# Altium PCB MB1166.PcbDoc (part 27 of 39)
Units mil, origin at the board's own origin, x right, y up, seen from the top; angles counter-clockwise.
Board outline 5000.99 x 2352.96 mil, 4 copper layers (TOP, L2_GND, L3_VCC, BOTTOM), stack 25.9 mil thick; 35 components, 24 nets, 166 pads, 143 vias.
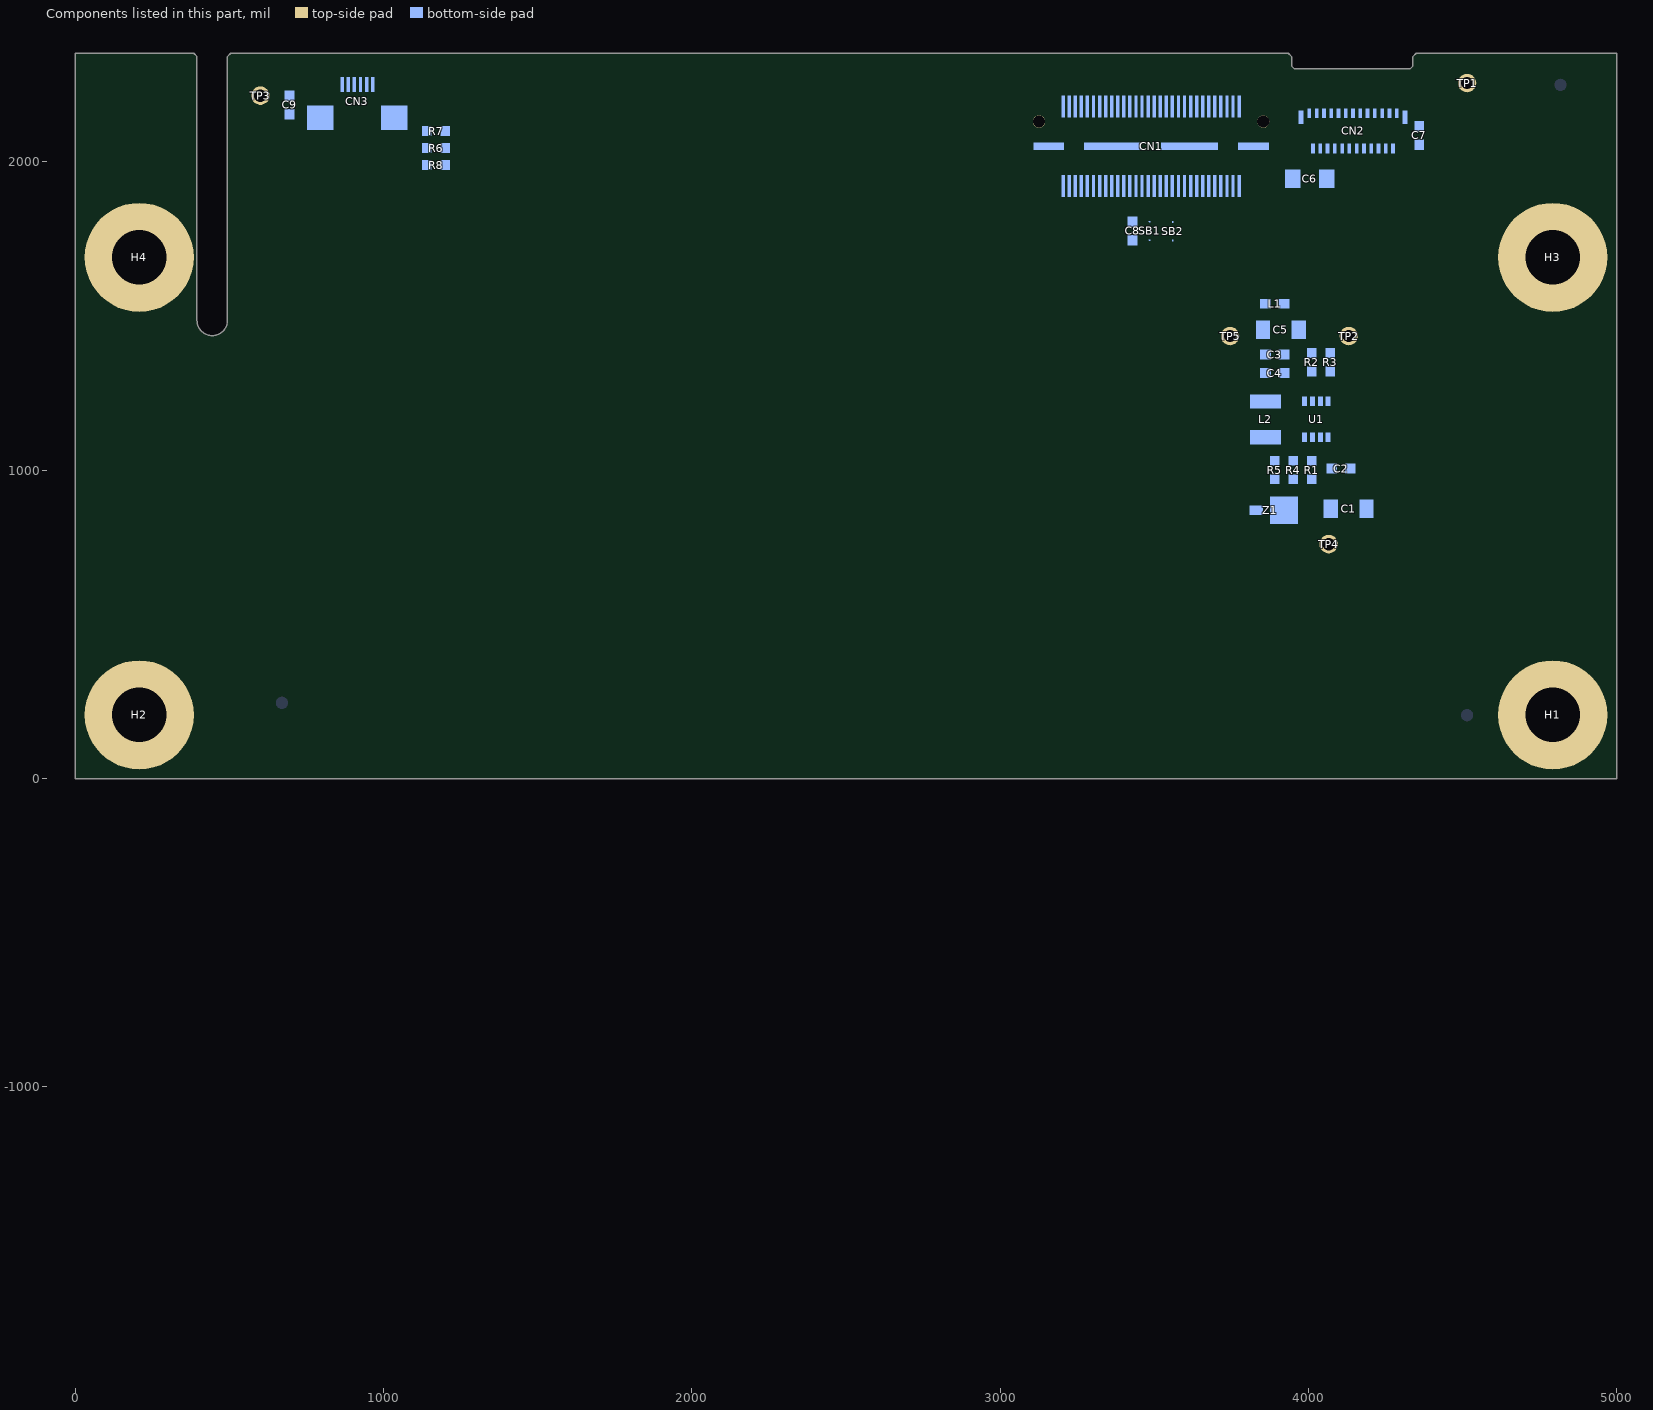
[diagram p29: the components of this part, seen from the top]

## Via types
v1: diameter 24, hole 12, TOP to BOTTOM, 143 vias

## Nets (pads, with @x,y where several pads share a name; then routed paths per layer and width w, separated by ;. In a path a pad name is that pad's centre, name@x,y a point inside that pad or via, vN(x,y) a via of type N, cw(c..) or ccw(c..) an arc to the next point about the centre after c; other vN are vias at no path point) (continued)
copper on no net: (continued)
  BOTTOM w2: 991.44,-1180.75 991.47,-1180.66 ; 991.47,-1180.66 991.51,-1180.46 ; 991.47,-1180.66 991.51,-1180.46 ; 991.51,-1180.46 991.53,-1180.37 ; 991.51,-1180.46 991.53,-1180.37 ; 991.53,-1180.37 991.56,-1180.27 ; 991.53,-1180.37 991.56,-1180.27 ; 991.56,-1180.27 991.6,-1180.07 ; 991.56,-1180.27 991.6,-1180.07 ; 991.53,-1106.82 991.62,-1106.8 ; 991.53,-1106.82 991.62,-1106.8 ; 991.6,-1180.07 991.63,-1179.98 ; 991.6,-1180.07 991.63,-1179.98 ; 991.62,-1106.8 991.82,-1106.76 ; 991.62,-1106.8 991.82,-1106.76 ; 991.63,-1179.98 991.69,-1179.68 ; 991.63,-1179.98 991.69,-1179.68 ; 991.69,-1179.68 991.72,-1179.59 ; 991.69,-1179.68 991.72,-1179.59 ; 991.72,-1179.59 991.78,-1179.29 ; 991.72,-1179.59 991.78,-1179.29 ; 991.78,-1179.29 991.81,-1179.2 ; 991.78,-1179.29 991.81,-1179.2 ; 991.81,-1179.2 991.87,-1178.9 ; 991.81,-1179.2 991.87,-1178.9 ; 991.82,-1106.76 991.9,-1106.74 ; 991.82,-1106.76 991.9,-1106.74 ; 991.87,-1178.9 991.9,-1178.81 ; 991.87,-1178.9 991.9,-1178.81 ; 991.9,-1178.81 991.96,-1178.51 ; 991.9,-1178.81 991.96,-1178.51 ; 991.9,-1106.74 1083.49,-1106.74 ; 991.9,-1106.74 1083.49,-1106.74 ; 991.96,-1178.51 991.99,-1178.42 ; 991.96,-1178.51 991.99,-1178.42 ; 991.99,-1178.42 992.05,-1178.12 ; 991.99,-1178.42 992.05,-1178.12 ; 992.05,-1178.12 992.07,-1178.03 ; 992.05,-1178.12 992.07,-1178.03 ; 992.07,-1178.03 992.1,-1177.93 ; 992.07,-1178.03 992.1,-1177.93 ; 992.1,-1177.93 992.14,-1177.73 ; 992.1,-1177.93 992.14,-1177.73 ; 992.14,-1177.73 992.16,-1177.64 ; 992.14,-1177.73 992.16,-1177.64 ; 992.16,-1177.64 992.18,-1177.54 ; 992.16,-1177.64 992.18,-1177.54 ; 992.18,-1177.54 992.21,-1177.44 ; 992.18,-1177.54 992.21,-1177.44 ; 992.21,-1177.44 992.23,-1177.34 ; 992.21,-1177.44 992.23,-1177.34 ; 992.23,-1177.34 992.25,-1177.25 ; 992.23,-1177.34 992.25,-1177.25 ; 992.25,-1177.25 992.31,-1176.95 ; 992.25,-1177.25 992.31,-1176.95 ; 992.31,-1176.95 992.34,-1176.86 ; 992.31,-1176.95 992.34,-1176.86 ; 992.34,-1176.86 992.4,-1176.56 ; 992.34,-1176.86 992.4,-1176.56 ; 992.4,-1176.56 992.42,-1176.47 ; 992.4,-1176.56 992.42,-1176.47 ; 992.42,-1176.47 992.46,-1176.27 ; 992.42,-1176.47 992.46,-1176.27 ; 992.46,-1176.27 992.49,-1176.17 ; 992.46,-1176.27 992.49,-1176.17 ; 992.49,-1176.17 992.51,-1176.07 ; 992.49,-1176.17 992.51,-1176.07 ; 992.51,-1176.07 992.53,-1175.98 ; 992.51,-1176.07 992.53,-1175.98 ; 992.53,-1175.98 992.59,-1175.68 ; 992.53,-1175.98 992.59,-1175.68 ; 992.59,-1175.68 992.61,-1175.59 ; 992.59,-1175.68 992.61,-1175.59 ; 992.61,-1175.59 992.63,-1175.49 ; 992.61,-1175.59 992.63,-1175.49 ; 992.63,-1175.49 992.66,-1175.39 ; 992.63,-1175.49 992.66,-1175.39 ; 992.66,-1175.39 992.7,-1175.19 ; 992.66,-1175.39 992.7,-1175.19 ; 992.7,-1175.19 992.72,-1175.1 ; 992.7,-1175.19 992.72,-1175.1 ; 992.72,-1175.1 992.78,-1174.8 ; 992.72,-1175.1 992.78,-1174.8 ; 992.78,-1174.8 992.8,-1174.71 ; 992.78,-1174.8 992.8,-1174.71 ; 992.8,-1174.71 992.88,-1174.31 ; 992.8,-1174.71 992.88,-1174.31 ; 992.88,-1174.31 992.9,-1174.22 ; 992.88,-1174.31 992.9,-1174.22 ; 992.9,-1174.22 992.98,-1173.82 ; 992.9,-1174.22 992.98,-1173.82 ; 992.98,-1173.82 993,-1173.73 ; 992.98,-1173.82 993,-1173.73 ; 993,-1173.73 993.08,-1173.33 ; 993,-1173.73 993.08,-1173.33 ; 993.08,-1173.33 993.1,-1173.24 ; 993.08,-1173.33 993.1,-1173.24 ; 993.1,-1173.24 993.18,-1172.84 ; 993.1,-1173.24 993.18,-1172.84 ; 993.18,-1172.84 993.2,-1172.75 ; 993.18,-1172.84 993.2,-1172.75 ; 993.2,-1172.75 993.3,-1172.25 ; 993.2,-1172.75 993.3,-1172.25 ; 993.3,-1172.25 993.32,-1172.16 ; 993.3,-1172.25 993.32,-1172.16 ; 993.32,-1172.16 949.13,-1216.34 993.32,-1172.16 ; 993.32,-1172.16 993.33,-1172.06 ; 993.32,-1172.16 993.33,-1172.06 ; 993.33,-1172.06 993.39,-1171.76 ; 993.33,-1172.06 993.39,-1171.76 ; 993.39,-1171.76 993.41,-1171.67 ; 993.39,-1171.76 993.41,-1171.67 ; 993.41,-1171.67 993.47,-1171.37 ; 993.41,-1171.67 993.47,-1171.37 ; 993.47,-1171.37 993.48,-1171.27 ; 993.47,-1171.37 993.48,-1171.27 ; 993.48,-1171.27 993.5,-1171.17 ; 993.48,-1171.27 993.5,-1171.17 ; 993.5,-1171.17 993.52,-1171.08 ; 993.5,-1171.17 993.52,-1171.08 ; 993.52,-1171.08 993.58,-1170.78 ; 993.52,-1171.08 993.58,-1170.78 ; 993.58,-1170.78 993.59,-1170.68 ; 993.58,-1170.78 993.59,-1170.68 ; 993.59,-1170.68 993.61,-1170.58 ; 993.59,-1170.68 993.61,-1170.58 ; 993.61,-1170.58 993.63,-1170.49 ; 993.61,-1170.58 993.63,-1170.49 ; 993.63,-1170.49 993.67,-1170.29 ; 993.63,-1170.49 993.67,-1170.29 ; 993.67,-1170.29 993.68,-1170.19 ; 993.67,-1170.29 993.68,-1170.19 ; 993.68,-1170.19 993.72,-1169.99 ; 993.68,-1170.19 993.72,-1169.99 ; 993.72,-1169.99 993.74,-1169.9 ; 993.72,-1169.99 993.74,-1169.9 ; 993.74,-1169.9 993.75,-1169.8 ; 993.74,-1169.9 993.75,-1169.8 ; 993.75,-1169.8 993.81,-1169.5 ; 993.75,-1169.8 993.81,-1169.5 ; 993.81,-1169.5 993.82,-1169.4 ; 993.81,-1169.5 993.82,-1169.4 ; 993.82,-1169.4 946.88,-1216.34 993.82,-1169.4 ; 993.82,-1169.4 993.84,-1169.3 ; 993.82,-1169.4 993.84,-1169.3 ; 993.84,-1169.3 993.86,-1169.21 ; 993.84,-1169.3 993.86,-1169.21 ; 993.86,-1169.21 993.88,-1169.11 ; 993.86,-1169.21 993.88,-1169.11 ; 993.88,-1169.11 993.89,-1169.01 ; 993.88,-1169.11 993.89,-1169.01 ; 993.89,-1169.01 993.95,-1168.71 ; 993.89,-1169.01 993.95,-1168.71 ; 993.95,-1168.71 993.96,-1168.62 ; 993.95,-1168.71 993.96,-1168.62 ; 993.96,-1168.62 994,-1168.42 ; 993.96,-1168.62 994,-1168.42 ; 994,-1168.42 994.01,-1168.32 ; 994,-1168.42 994.01,-1168.32 ; 994.01,-1168.32 994.07,-1168.02 ; 994.01,-1168.32 994.07,-1168.02 ; 994.07,-1168.02 994.08,-1167.93 ; 994.07,-1168.02 994.08,-1167.93 ; 994.08,-1167.93 994.14,-1167.63 ; 994.08,-1167.93 994.14,-1167.63 ; 994.14,-1167.63 994.15,-1167.53 ; 994.14,-1167.63 994.15,-1167.53 ; 994.15,-1167.53 994.17,-1167.43 ; 994.15,-1167.53 994.17,-1167.43 ; 994.17,-1167.43 994.19,-1167.34 ; 994.17,-1167.43 994.19,-1167.34 ; 994.19,-1167.34 994.2,-1167.24 ; 994.19,-1167.34 994.2,-1167.24 ; 994.2,-1167.24 994.28,-1166.84 ; 994.2,-1167.24 994.28,-1166.84 ; 994.28,-1166.84 994.29,-1166.74 ; 994.28,-1166.84 994.29,-1166.74 ; 994.29,-1166.74 994.31,-1166.65 ; 994.29,-1166.74 994.31,-1166.65 ; 994.31,-1166.65 994.35,-1166.45 ; 994.31,-1166.65 994.35,-1166.45 ; 994.35,-1166.45 994.36,-1166.35 ; 994.35,-1166.45 994.36,-1166.35 ; 994.36,-1166.35 994.4,-1166.15 ; 994.36,-1166.35 994.4,-1166.15 ; 994.4,-1166.15 994.42,-1166.06 ; 994.4,-1166.15 994.42,-1166.06 ; 994.42,-1166.06 994.44,-1165.96 ; 994.42,-1166.06 994.44,-1165.96 ; 994.44,-1165.96 994.45,-1165.86 ; 994.44,-1165.96 994.45,-1165.86 ; 994.45,-1165.86 994.51,-1165.56 ; 994.45,-1165.86 994.51,-1165.56 ; 994.51,-1165.56 994.53,-1165.47 ; 994.51,-1165.56 994.53,-1165.47 ; 994.53,-1165.47 994.57,-1165.27 ; 994.53,-1165.47 994.57,-1165.27 ; 994.57,-1165.27 994.58,-1165.17 ; 994.57,-1165.27 994.58,-1165.17 ; 994.58,-1165.17 994.62,-1164.97 ; 994.58,-1165.17 994.62,-1164.97 ; 994.62,-1164.97 994.64,-1164.88 ; 994.62,-1164.97 994.64,-1164.88 ; 994.64,-1164.88 994.72,-1164.48 ; 994.64,-1164.88 994.72,-1164.48 ; 994.72,-1164.48 994.74,-1164.39 ; 994.72,-1164.48 994.74,-1164.39 ; 994.74,-1164.39 994.82,-1163.99 ; 994.74,-1164.39 994.82,-1163.99 ; 994.82,-1163.99 994.84,-1163.9 ; 994.82,-1163.99 994.84,-1163.9 ; 994.84,-1163.9 942.39,-1216.34 994.84,-1163.9 ; 994.84,-1163.9 994.9,-1163.6 ; 994.84,-1163.9 994.9,-1163.6 ; 994.9,-1163.6 994.92,-1163.51 ; 994.9,-1163.6 994.92,-1163.51 ; 994.92,-1163.51 994.96,-1163.31 ; 994.92,-1163.51 994.96,-1163.31 ; 994.96,-1163.31 994.99,-1163.21 ; 994.96,-1163.31 994.99,-1163.21 ; 994.99,-1163.21 995.01,-1163.11 ; 994.99,-1163.21 995.01,-1163.11 ; 995.01,-1163.11 995.03,-1163.02 ; 995.01,-1163.11 995.03,-1163.02 ; 995.03,-1163.02 995.07,-1162.82 ; 995.03,-1163.02 995.07,-1162.82 ; 995.07,-1162.82 995.1,-1162.72 ; 995.07,-1162.82 995.1,-1162.72 ; 995.1,-1162.72 995.12,-1162.63 ; 995.1,-1162.72 995.12,-1162.63 ; 995.12,-1162.63 995.16,-1162.43 ; 995.12,-1162.63 995.16,-1162.43 ; 995.16,-1162.43 995.19,-1162.33 ; 995.16,-1162.43 995.19,-1162.33 ; 995.19,-1162.33 995.21,-1162.24 ; 995.19,-1162.33 995.21,-1162.24 ; 995.21,-1162.24 995.23,-1162.14 ; 995.21,-1162.24 995.23,-1162.14 ; 995.23,-1162.14 995.26,-1162.04 ; 995.23,-1162.14 995.26,-1162.04 ; 995.26,-1162.04 995.28,-1161.95 ; 995.26,-1162.04 995.28,-1161.95 ; 995.28,-1161.95 995.3,-1161.85 ; 995.28,-1161.95 995.3,-1161.85 ; 995.3,-1161.85 995.33,-1161.75 ; 995.3,-1161.85 995.33,-1161.75 ; 995.33,-1161.75 995.35,-1161.65 ; 995.33,-1161.75 995.35,-1161.65 ; 995.35,-1161.65 995.38,-1161.56 ; 995.35,-1161.65 995.38,-1161.56 ; 995.38,-1161.56 995.42,-1161.36 ; 995.38,-1161.56 995.42,-1161.36 ; 995.42,-1161.36 995.45,-1161.27 ; 995.42,-1161.36 995.45,-1161.27 ; 995.45,-1161.27 995.47,-1161.17 ; 995.45,-1161.27 995.47,-1161.17 ; 995.47,-1161.17 995.5,-1161.07 ; 995.47,-1161.17 995.5,-1161.07 ; 995.5,-1161.07 995.52,-1160.98 ; 995.5,-1161.07 995.52,-1160.98 ; 995.52,-1160.98 995.55,-1160.88 ; 995.52,-1160.98 995.55,-1160.88 ; 995.55,-1160.88 995.57,-1160.78 ; 995.55,-1160.88 995.57,-1160.78 ; 995.57,-1160.78 995.6,-1160.69 ; 995.57,-1160.78 995.6,-1160.69 ; 995.6,-1160.69 995.62,-1160.59 ; 995.6,-1160.69 995.62,-1160.59 ; 995.62,-1160.59 995.65,-1160.49 ; 995.62,-1160.59 995.65,-1160.49 ; 995.65,-1160.49 995.67,-1160.39 ; 995.65,-1160.49 995.67,-1160.39 ; 995.67,-1160.39 995.7,-1160.3 ; 995.67,-1160.39 995.7,-1160.3 ; 995.7,-1160.3 995.72,-1160.2 ; 995.7,-1160.3 995.72,-1160.2 ; 995.72,-1160.2 995.75,-1160.1 ; 995.72,-1160.2 995.75,-1160.1 ; 995.75,-1160.1 995.77,-1160.01 ; 995.75,-1160.1 995.77,-1160.01 ; 995.77,-1160.01 995.8,-1159.91 ; 995.77,-1160.01 995.8,-1159.91 ; 995.8,-1159.91 995.82,-1159.81 ; 995.8,-1159.91 995.82,-1159.81 ; 995.82,-1159.81 995.85,-1159.72 ; 995.82,-1159.81 995.85,-1159.72 ; 995.85,-1159.72 995.87,-1159.62 ; 995.85,-1159.72 995.87,-1159.62 ; 995.87,-1159.62 995.9,-1159.52 ; 995.87,-1159.62 995.9,-1159.52 ; 995.9,-1159.52 995.92,-1159.43 ; 995.9,-1159.52 995.92,-1159.43 ; 995.92,-1159.43 995.95,-1159.33 ; 995.92,-1159.43 995.95,-1159.33 ; 995.95,-1159.33 995.97,-1159.23 ; 995.95,-1159.33 995.97,-1159.23 ; 995.97,-1159.23 996,-1159.14 ; 995.97,-1159.23 996,-1159.14 ; 996,-1159.14 996.04,-1158.94 ; 996,-1159.14 996.04,-1158.94 ; 996.04,-1158.94 996.07,-1158.84 ; 996.04,-1158.94 996.07,-1158.84 ; 996.07,-1158.84 996.09,-1158.75 ; 996.07,-1158.84 996.09,-1158.75 ; 996.09,-1158.75 996.12,-1158.65 ; 996.09,-1158.75 996.12,-1158.65 ; 996.12,-1158.65 996.14,-1158.55 ; 996.12,-1158.65 996.14,-1158.55 ; 996.14,-1158.55 996.16,-1158.46 ; 996.14,-1158.55 996.16,-1158.46 ; 996.16,-1158.46 996.19,-1158.36 ; 996.16,-1158.46 996.19,-1158.36 ; 996.19,-1158.36 996.23,-1158.16 ; 996.19,-1158.36 996.23,-1158.16 ; 996.23,-1158.16 996.26,-1158.07 ; 996.23,-1158.16 996.26,-1158.07 ; 996.26,-1158.07 996.32,-1157.77 ; 996.26,-1158.07 996.32,-1157.77 ; 996.32,-1157.77 996.34,-1157.68 ; 996.32,-1157.77 996.34,-1157.68 ; 996.34,-1157.68 996.36,-1157.58 ; 996.34,-1157.68 996.36,-1157.58 ; 996.36,-1157.58 996.39,-1157.48 ; 996.36,-1157.58 996.39,-1157.48 ; 996.39,-1157.48 996.41,-1157.38 ; 996.39,-1157.48 996.41,-1157.38 ; 996.41,-1157.38 996.43,-1157.29 ; 996.41,-1157.38 996.43,-1157.29 ; 996.43,-1157.29 996.51,-1156.89 ; 996.43,-1157.29 996.51,-1156.89 ; 996.51,-1156.89 996.52,-1156.79 ; 996.51,-1156.89 996.52,-1156.79 ; 996.52,-1156.79 996.54,-1156.7 ; 996.52,-1156.79 996.54,-1156.7 ; 996.54,-1156.7 996.6,-1156.4 ; 996.54,-1156.7 996.6,-1156.4 ; 996.6,-1156.4 996.61,-1156.3 ; 996.6,-1156.4 996.61,-1156.3 ; 996.61,-1156.3 996.63,-1156.2 ; 996.61,-1156.3 996.63,-1156.2 ; 996.63,-1156.2 996.65,-1156.11 ; 996.63,-1156.2 996.65,-1156.11 ; 996.65,-1156.11 996.66,-1156.01 ; 996.65,-1156.11 996.66,-1156.01 ; 996.66,-1156.01 996.7,-1155.81 ; 996.66,-1156.01 996.7,-1155.81 ; 996.7,-1155.81 996.71,-1155.71 ; 996.7,-1155.81 996.71,-1155.71 ; 996.71,-1155.71 996.73,-1155.61 ; 996.71,-1155.71 996.73,-1155.61 ; 996.73,-1155.61 996.74,-1155.51 ; 996.73,-1155.61 996.74,-1155.51 ; 996.74,-1155.51 996.76,-1155.41 ; 996.74,-1155.51 996.76,-1155.41 ; 996.76,-1155.41 996.78,-1155.32 ; 996.76,-1155.41 996.78,-1155.32 ; 996.78,-1155.32 996.79,-1155.22 ; 996.78,-1155.32 996.79,-1155.22 ; 996.79,-1155.21 935.66,-1216.34 996.79,-1155.21 ; 996.79,-1155.22 996.81,-1155.12 ; 996.79,-1155.22 996.81,-1155.12 ; 996.81,-1155.12 996.82,-1155.02 ; 996.81,-1155.12 996.82,-1155.02 ; 996.82,-1155.02 996.84,-1154.92 ; 996.82,-1155.02 996.84,-1154.92 ; 996.84,-1154.92 996.85,-1154.82 ; 996.84,-1154.92 996.85,-1154.82 ; 996.85,-1154.82 996.87,-1154.72 ; 996.85,-1154.82 996.87,-1154.72 ; 996.87,-1154.72 996.88,-1154.62 ; 996.87,-1154.72 996.88,-1154.62 ; 996.88,-1154.62 996.9,-1154.53 ; 996.88,-1154.62 996.9,-1154.53 ; 996.9,-1154.53 996.91,-1154.43 ; 996.9,-1154.53 996.91,-1154.43 ; 996.91,-1154.43 996.93,-1154.33 ; 996.91,-1154.43 996.93,-1154.33 ; 996.93,-1154.33 996.94,-1154.23 ; 996.93,-1154.33 996.94,-1154.23 ; 996.94,-1154.23 996.96,-1154.13 ; 996.94,-1154.23 996.96,-1154.13 ; 996.96,-1154.13 996.97,-1154.03 ; 996.96,-1154.13 996.97,-1154.03 ; 996.97,-1154.03 997.01,-1153.83 ; 996.97,-1154.03 997.01,-1153.83 ; 997.01,-1153.83 997.02,-1153.74 ; 997.01,-1153.83 997.02,-1153.74 ; 997.02,-1153.74 997.06,-1153.54 ; 997.02,-1153.74 997.06,-1153.54 ; 997.06,-1153.54 997.07,-1153.44 ; 997.06,-1153.54 997.07,-1153.44 ; 997.07,-1153.44 997.13,-1153.14 ; 997.07,-1153.44 997.13,-1153.14 ; 997.13,-1153.14 997.14,-1153.05 ; 997.13,-1153.14 997.14,-1153.05 ; 997.14,-1153.05 997.22,-1152.65 ; 997.14,-1153.05 997.22,-1152.65 ; 997.22,-1152.65 997.24,-1152.56 ; 997.22,-1152.65 997.24,-1152.56 ; 997.24,-1152.56 997.32,-1152.16 ; 997.24,-1152.56 997.32,-1152.16 ; 997.32,-1152.16 997.34,-1152.07 ; 997.32,-1152.16 997.34,-1152.07 ; 997.34,-1152.07 997.37,-1151.97 ; 997.34,-1152.07 997.37,-1151.97 ; 997.37,-1151.97 997.41,-1151.77 ; 997.37,-1151.97 997.41,-1151.77 ; 997.41,-1151.77 997.43,-1151.68 ; 997.41,-1151.77 997.43,-1151.68 ; 997.43,-1151.68 997.46,-1151.58 ; 997.43,-1151.68 997.46,-1151.58 ; 997.46,-1151.58 997.5,-1151.38 ; 997.46,-1151.58 997.5,-1151.38 ; 997.5,-1151.38 997.53,-1151.29 ; 997.5,-1151.38 997.53,-1151.29 ; 997.53,-1151.29 997.55,-1151.19 ; 997.53,-1151.29 997.55,-1151.19 ; 997.55,-1151.19 997.58,-1151.09 ; 997.55,-1151.19 997.58,-1151.09 ; 997.58,-1151.09 997.6,-1151 ; 997.58,-1151.09 997.6,-1151 ; 997.6,-1151 997.62,-1150.9 ; 997.6,-1151 997.62,-1150.9 ; 997.62,-1150.9 997.65,-1150.8 ; 997.62,-1150.9 997.65,-1150.8 ; 997.65,-1150.8 997.67,-1150.7 ; 997.65,-1150.8 997.67,-1150.7 ; 997.67,-1150.7 997.69,-1150.61 ; 997.67,-1150.7 997.69,-1150.61 ; 997.69,-1150.61 997.72,-1150.51 ; 997.69,-1150.61 997.72,-1150.51 ; 997.72,-1150.51 997.74,-1150.41 ; 997.72,-1150.51 997.74,-1150.41 ; 997.74,-1150.41 997.76,-1150.32 ; 997.74,-1150.41 997.76,-1150.32 ; 997.76,-1150.32 997.79,-1150.22 ; 997.76,-1150.32 997.79,-1150.22 ; 997.79,-1150.22 997.83,-1150.02 ; 997.79,-1150.22 997.83,-1150.02 ; 997.83,-1150.02 997.85,-1149.93 ; 997.83,-1150.02 997.85,-1149.93 ; 997.85,-1149.93 997.88,-1149.83 ; 997.85,-1149.93 997.88,-1149.83 ; 997.88,-1149.83 997.92,-1149.63 ; 997.88,-1149.83 997.92,-1149.63 ; 997.92,-1149.63 997.94,-1149.54 ; 997.92,-1149.63 997.94,-1149.54 ; 997.94,-1149.54 998.02,-1149.14 ; 997.94,-1149.54 998.02,-1149.14 ; 998.02,-1149.14 998.04,-1149.05 ; 998.02,-1149.14 998.04,-1149.05 ; 998.04,-1149.05 998.08,-1148.85 ; 998.04,-1149.05 998.08,-1148.85 ; 998.08,-1148.85 998.09,-1148.75 ; 998.08,-1148.85 998.09,-1148.75 ; 998.09,-1148.75 998.13,-1148.55 ; 998.09,-1148.75 998.13,-1148.55 ; 998.13,-1148.55 998.14,-1148.45 ; 998.13,-1148.55 998.14,-1148.45 ; 998.14,-1148.45 998.16,-1148.36 ; 998.14,-1148.45 998.16,-1148.36 ; 998.16,-1148.36 998.18,-1148.26 ; 998.16,-1148.36 998.18,-1148.26 ; 998.18,-1148.26 998.19,-1148.16 ; 998.18,-1148.26 998.19,-1148.16 ; 998.19,-1148.16 998.21,-1148.06 ; 998.19,-1148.16 998.21,-1148.06 ; 998.21,-1148.06 998.22,-1147.96 ; 998.21,-1148.06 998.22,-1147.96 ; 998.22,-1147.96 998.24,-1147.86 ; 998.22,-1147.96 998.24,-1147.86 ; 998.24,-1147.86 998.25,-1147.76 ; 998.24,-1147.86 998.25,-1147.76 ; 998.25,-1147.76 998.27,-1147.66 ; 998.25,-1147.76 998.27,-1147.66 ; 998.27,-1147.66 998.28,-1147.57 ; 998.27,-1147.66 998.28,-1147.57 ; 998.28,-1147.57 998.32,-1147.37 ; 998.28,-1147.57 998.32,-1147.37 ; 998.32,-1147.37 998.33,-1147.27 ; 998.32,-1147.37 998.33,-1147.27 ; 998.33,-1147.27 998.35,-1147.17 ; 998.33,-1147.27 998.35,-1147.17 ; 998.35,-1147.17 998.36,-1147.07 ; 998.35,-1147.17 998.36,-1147.07 ; 998.36,-1147.07 998.38,-1146.97 ; 998.36,-1147.07 998.38,-1146.97 ; 998.38,-1146.97 998.4,-1146.88 ; 998.38,-1146.97 998.4,-1146.88 ; 998.4,-1146.88 998.42,-1146.78 ; 998.4,-1146.88 998.42,-1146.78 ; 998.42,-1146.78 998.43,-1146.68 ; 998.42,-1146.78 998.43,-1146.68 ; 998.43,-1146.68 998.49,-1146.38 ; 998.43,-1146.68 998.49,-1146.38 ; 998.49,-1146.38 998.51,-1146.29 ; 998.49,-1146.38 998.51,-1146.29 ; 998.51,-1146.29 998.55,-1146.09 ; 998.51,-1146.29 998.55,-1146.09 ; 998.54,-1189.69 1006.93,-1150.19 ; 998.54,-1189.69 1069.97,-1150.19 ; 998.54,-1189.69 1006.93,-1150.19 ; 998.54,-1189.69 1069.97,-1150.19 ; 998.55,-1146.09 998.58,-1145.99 ; 998.55,-1146.09 998.58,-1145.99 ; 998.58,-1145.99 998.6,-1145.9 ; 998.58,-1145.99 998.6,-1145.9 ; 998.6,-1145.9 998.62,-1145.8 ; 998.6,-1145.9 998.62,-1145.8 ; 998.62,-1145.8 998.65,-1145.7 ; 998.62,-1145.8 998.65,-1145.7 ; 998.65,-1145.7 998.67,-1145.61 ; 998.65,-1145.7 998.67,-1145.61 ; 998.67,-1145.61 998.73,-1145.41 ; 998.67,-1145.61 998.73,-1145.41 ; 998.73,-1145.41 998.76,-1145.32 ; 998.73,-1145.41 998.76,-1145.32 ; 998.76,-1145.32 998.79,-1145.22 ; 998.76,-1145.32 998.79,-1145.22 ; 998.79,-1145.22 998.82,-1145.13 ; 998.79,-1145.22 998.82,-1145.13 ; 998.82,-1145.13 998.85,-1145.03 ; 998.82,-1145.13 998.85,-1145.03 ; 998.85,-1145.03 998.88,-1144.94 ; 998.85,-1145.03 998.88,-1144.94 ; 998.88,-1144.94 998.92,-1144.84 ; 998.88,-1144.94 998.92,-1144.84 ; 998.92,-1144.84 998.95,-1144.75 ; 998.92,-1144.84 998.95,-1144.75 ; 998.95,-1144.75 998.99,-1144.66 ; 998.95,-1144.75 998.99,-1144.66 ; 998.99,-1144.66 999.03,-1144.56 ; 998.99,-1144.66 999.03,-1144.56 ; 999.03,-1144.56 999.06,-1144.47 ; 999.03,-1144.56 999.06,-1144.47 ; 999.06,-1144.47 999.14,-1144.29 ; 999.06,-1144.47 999.14,-1144.29 ; 999.14,-1144.29 999.18,-1144.19 ; 999.14,-1144.29 999.18,-1144.19 ; 999.18,-1144.19 999.34,-1143.83 ; 999.18,-1144.19 999.34,-1143.83 ; 999.34,-1143.83 999.39,-1143.74 ; 999.34,-1143.83 999.39,-1143.74 ; 999.39,-1143.74 999.47,-1143.56 ; 999.39,-1143.74 999.47,-1143.56 ; 999.47,-1143.56 999.52,-1143.47 ; 999.47,-1143.56 999.52,-1143.47 ; 999.52,-1143.47 999.56,-1143.38 ; 999.52,-1143.47 999.56,-1143.38 ; 999.56,-1143.38 999.61,-1143.29 ; 999.56,-1143.38 999.61,-1143.29 ; 999.61,-1143.29 999.65,-1143.2 ; 999.61,-1143.29 999.65,-1143.2 ; 999.65,-1143.2 999.75,-1143.02 ; 999.65,-1143.2 999.75,-1143.02 ; 999.75,-1143.02 999.79,-1142.94 ; 999.75,-1143.02 999.79,-1142.94 ; 999.79,-1142.94 999.89,-1142.76 ; 999.79,-1142.94 999.89,-1142.76 ; 999.89,-1142.76 999.93,-1142.67 ; 999.89,-1142.76 999.93,-1142.67 ; 999.93,-1142.67 1000.03,-1142.49 ; 999.93,-1142.67 1000.03,-1142.49 ; 1000.03,-1142.49 1000.07,-1142.41 ; 1000.03,-1142.49 1000.07,-1142.41 ; 1000.07,-1142.41 1000.27,-1142.05 ; 1000.07,-1142.41 1000.27,-1142.05 ; 1000.27,-1142.05 1000.31,-1141.97 ; 1000.27,-1142.05 1000.31,-1141.97 ; 1000.31,-1141.97 1000.46,-1141.7 ; 1000.31,-1141.97 1000.46,-1141.7 ; 1000.46,-1141.7 1000.51,-1141.62 ; 1000.46,-1141.7 1000.51,-1141.62 ; 1000.51,-1141.62 1000.55,-1141.53 ; 1000.51,-1141.62 1000.55,-1141.53 ; 1000.55,-1141.53 1000.65,-1141.35 ; 1000.55,-1141.53 1000.65,-1141.35 ; 1000.65,-1141.35 1000.7,-1141.27 ; 1000.65,-1141.35 1000.7,-1141.27 ; 1000.7,-1141.27 1000.8,-1141.09 ; 1000.7,-1141.27 1000.8,-1141.09 ; 1000.8,-1141.09 1000.85,-1141.01 ; 1000.8,-1141.09 1000.85,-1141.01 ; 1000.85,-1141.01 1000.95,-1140.83 ; 1000.85,-1141.01 1000.95,-1140.83 ; 1000.95,-1140.83 1001,-1140.75 ; 1000.95,-1140.83 1001,-1140.75 ; 1001,-1140.75 1001.1,-1140.57 ; 1001,-1140.75 1001.1,-1140.57 ; 1001.1,-1140.57 1001.15,-1140.49 ; 1001.1,-1140.57 1001.15,-1140.49 ; 1001.15,-1140.49 1001.2,-1140.4 ; 1001.15,-1140.49 1001.2,-1140.4